# KiCad board launch-lite.kicad_pcb (continued)
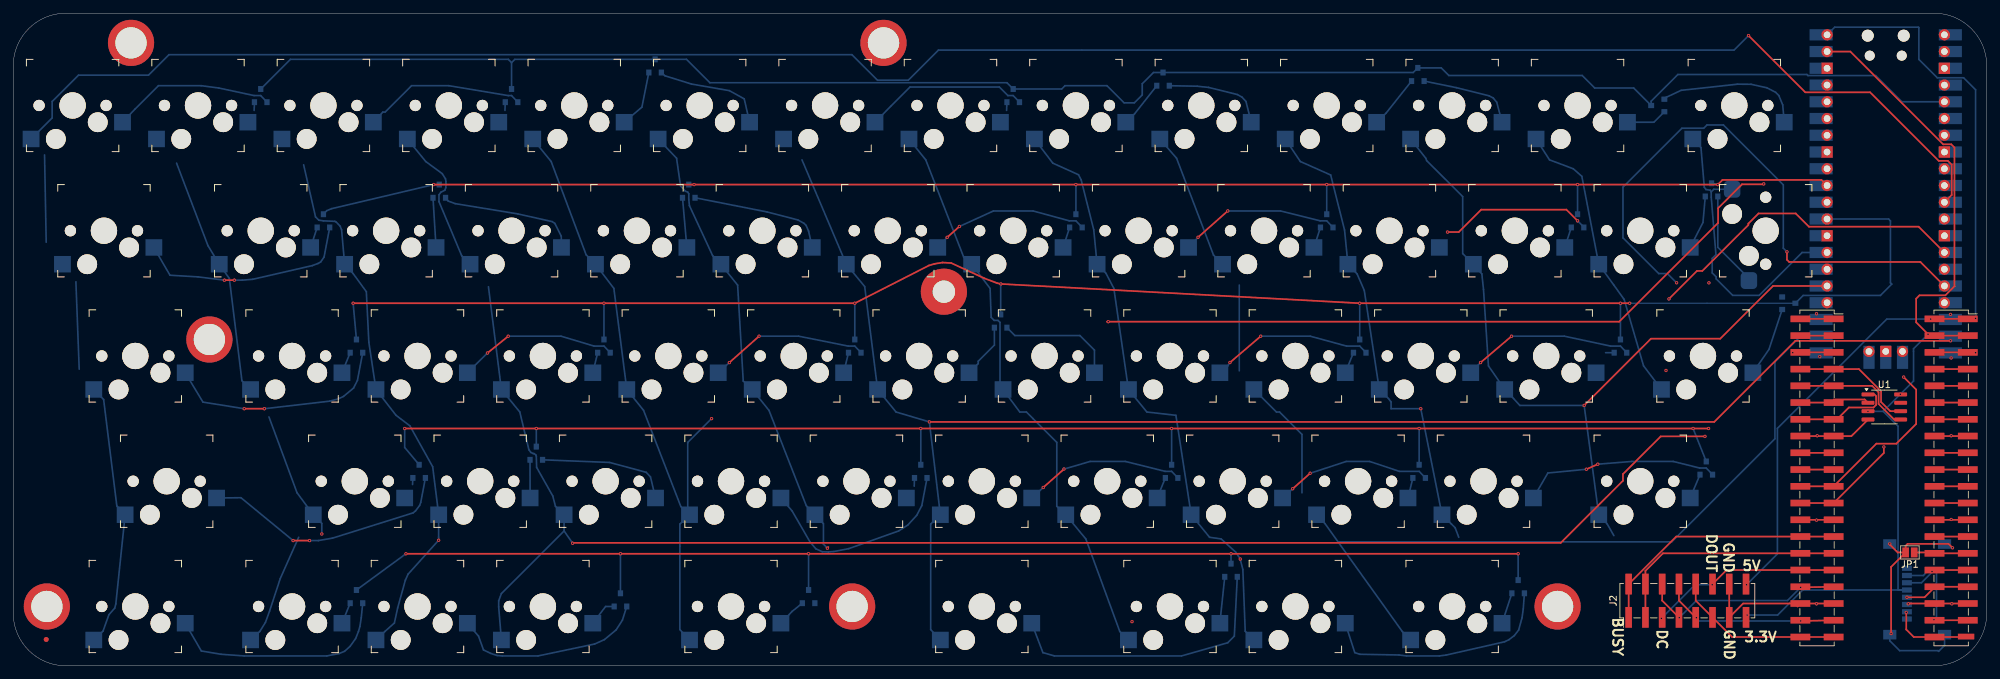
[diagram p0: board, top side]
## Routing (per net, layer and track width the routed paths; a pad name or vN(x,y) marks a point on that pad's centre or on a via; arc(x,y) is an arc through that point) (continued)
/SD_DET: length 8.2
  Top w0.25: J4.29 J4.30 290.95,17.2 JP1.1
/SD_RX: length 12.4
  Top w0.25: v1(286.8,8.1) 286.8,5.5 287.93,4.37 J4.40 296.12,4.37
/SD_TX: length 10
  Top w0.25: J4.31 J4.32
  Bottom w0.25: J1.3 289.1,12.6 290.7,14.2 v1(290.7,14.3) 290.8,14.3 291,14.5
/TX: length 81.4
  Top w0.25: v1(283.4,33.2) 283.4,32.29 J3.23 J3.24
  In1.Cu w0.25: v1(283.4,33.2) 287.5,37.3 297.3,37.3 297.9,37.9 297.9,79.3 294.18,83.02 U2.6
COLA: length 383.5
  Top w0.25: v1(262.9,95.6) 271.5,87 281.32,87 291.72,76.6 293.1,76.6 293.68,76.02 293.68,71.42 U2.11
  Bottom w0.25: SWA3.1 13.7,40.4 15.7,24.25 SWA4.1 15.55,9.4 15.38,8.75 14.5,7.75 13.6,5.25 SWA5.1 ; 5,64.25 4.75,77.5 ; 10,45 9.5,58.25 ; SWA1.1 5.9,83.11 5.9,85.6 9.9,89.6 20.5,89.6 23.6,92.7 127.06,92.7 130.94,88.83 135.6,88.83 140.17,93.4 260.7,93.4 v1(262.9,95.6) 263,95.7
COLB: length 359.8
  In1.Cu w0.25: U2.12 291.48,66.68 268.22,66.68 268.22,59.9 265.72,57.4 168.33,57.4 152.03,73.7 128.78,50.45 116.94,50.45 115.99,49.5 112.79,49.5 112.5,49.79 78.83,49.79 76.65,47.61 76.65,45.3 57.69,26.34 57.69,24.58 53.11,20 v1(46.75,20)
  Bottom w0.25: 24.75,76.25 29.5,63.75 SWB2.1 32.75,58.75 34.65,43.25 SWB3.1 ; SWB5.1 37.35,5.2 38.21,6.59 38.84,8.29 40.46,13.24 43.25,19.5 ; v1(46.75,20) 46.75,21.6 SWB4.1 43,26.25 38.75,37.75
COLC: length 334.1
  Top w0.25: U2.14 288.67,66.61 272.06,66.61 270.05,68.62 264.42,68.62 262.88,67.08 262.88,66.88 255.9,59.9 255.09,59.9 v1(250.84,55.66)
  In1.Cu w0.25: v1(250.84,55.66) 250.79,55.6 157.68,55.6 140.48,38.4 91,38.4 71.7,19.1 64.4,19.1 v1(64.45,19.05)
  Bottom w0.25: 44,76 45.8,68.1 46.3,67.6 47,67.5 48.72,67.42 48.95,67.3 49.54,66.69 49.75,66.15 SWC2.1 51.5,59.5 53.5,56.75 53.88,49.08 SWC3.1 58,38 60.1,36.4 63.55,30.2 SWC4.1 64.45,19.5 v1(64.45,19.05) 59.83,13.92 59.41,12.99 58.25,8.8 57.75,6.5 56.3,5.2 SWC5.1
COLD: length 317
  Top w0.25: v1(84.75,18.6) 84.8,18.65 234.45,18.65 243.88,28.08 243.88,29.08 249.6,34.8 v1(256.3,34.8) 256.4,34.8
  In2.Cu w0.25: v1(256.3,34.8) 256.36,34.8 262.83,41.27 262.83,49.73 272.16,59.06 275.26,59.06 275.9,59.7 275.9,60.16 U2.15
  Bottom w0.25: 83.46,20.46 SWD4.1 82.15,24.2 81.75,25.75 79.3,30.1 79.25,31.8 79.16,32.01 78.93,32.18 78.76,32.21 78.42,32.37 78.13,32.78 76.75,38.5 SWD3.1 72,57.5 ; 83.46,20.46 73.96,10.96 73.55,9.85 73.55,8.95 SWD5.1 ; 83.46,20.46 v1(84.75,18.6) ; SWD2.1 67.95,62.2 64.51,70.41 64.5,71.45 64.8,71.85 65.4,72.15 65.54,72.54 65.56,73.46 65.5,73.85 65,74.65 62.5,76.5 SWD1.1
COLE: length 342.7
  Top w0.25: v1(268.72,62.8) 268.72,61.6 269.06,61.26 288.94,61.26 U2.16
  In2.Cu w0.25: v1(105.8,37.5) 138.59,37.5 157.79,56.7 251.89,56.7 252,56.81 v1(252,58.1)
  Bottom w0.25: v1(252,58.1) 250.6,59.5 249.3,59.5 243.88,64.92 243.88,72.62 252.81,81.55 256.11,81.55 256.61,82.05 259.09,82.05 268.17,72.97 268.17,63.36 v1(268.72,62.8) ; SWE4.1 101.15,24.15 95.5,38.75 SWE3.1 91,57.25 SWE2.1 86.8,62.35 81.5,76.5 SWE1.1 ; SWE4.1 102.19,23.19 102.19,33.89 v1(105.8,37.5) ; SWE4.1 101,21.5 101,5.5 SWE5.1
COLF: length 298.7
  Top w0.25: 165.7,52.2 v1(165.9,52.2) 243.3,52.2 258.3,67.19 258.3,69.42 261.92,73.05 265.15,73.05 v1(265.2,73.1) ; 123.5,18 v1(123.35,17.85)
  In1.Cu w0.25: v1(123.35,17.85) 135.07,17.85 144.13,26.92 144.13,29.08 145.67,30.62 149.58,30.62 165.9,46.94 v1(165.9,52.2)
  In2.Cu w0.25: U2.17 292.7,55.2 296.8,55.2 296.8,75.5 295.7,76.6 271.05,76.6 267.55,73.1 v1(265.2,73.1)
  Bottom w0.25: v1(123.35,17.85) 122.75,18.45 122.75,21.55 SWF4.1 120.15,24.3 114.5,38.75 SWF3.1 110.6,43.2 109.75,57.75 SWF2.1 105.95,62.25 102.45,69.8 102.35,70.8 102.35,71.6 102.2,71.85 101.84,71.99 101.1,72.8 100.5,77 SWF1.1
COLG: length 241.2
  Top w0.25: v1(138.8,37) 138.8,37 257.7,37 270.01,49.3 v1(293.5,49.3)
  Bottom w0.25: SWG5.1 139,5.5 139,21.5 SWG4.1 v1(138.8,37) 133.75,38.5 SWG3.1 129,57.53 SWG2.1 119.5,76.75
COLH: length 233.4
  In1.Cu w0.25: 293.7,46.7 v1(293.6,46.7) 293.6,46.8 291.61,48.79 271.79,48.79 253.62,30.62 245.42,30.62 243.88,29.08 243.88,26.92 237.57,20.6 180.6,20.6 172.63,12.63 172.63,7.92 171.42,6.7 v1(169.5,6.7)
  Bottom w0.25: SWH5.1 167.65,5.2 162.5,19.25 SWH4.1 158.1,24.2 158.1,33.9 153.5,38.5 152.5,38.5 SWH3.1 ; SWH1.1 138.25,76.75 144,62 SWH2.1 148,57.25 148.16,52.86 148.62,52.4 149.2,52.4 149.5,52.1 149.5,42.38
COLI: length 191.3
  In2.Cu w0.25: v1(273.7,46.9) 273.7,45.84 244.06,16.2 v1(185.9,16.2)
  Bottom w0.25: SWI5.1 186.65,5.25 186.29,14.61 185.87,16.27 185.2,17.25 183,19.25 181.25,19.5 SWI4.1 176.15,38 171.75,38.5 SWI3.1 166.75,57.25 165.55,59.55 SWI2.1 163.7,66.15 161.8,73.7 161.39,74.49 157.5,76.25 SWI1.1
COLJ: length 171.1
  Bottom w0.25: SWJ5.1 210.45,5.2 200.71,18.81 ; SWJ1.1 176.25,77 181.85,62.3 SWJ2.1 ; 200.71,18.81 251.27,18.81 266.9,34.44 266.9,46.1 270.8,50 U2.22 ; 200.71,18.81 198.75,21.55 SWJ4.1 ; SWJ3.1 191.38,38.5 191.85,38.5 195.25,35.1 195.25,26.25 ; 185.75,44.75 185.75,57.75
COLK: length 140
  In1.Cu w0.25: U2.24 273.44,55.08 257.35,39 213.25,39 v1(213.25,39)
  Bottom w0.25: SWK1.1 195,76.5 199.6,74.45 201.7,66.1 SWK2.1 203.6,59.45 204.69,56.94 SWK3.1 208.35,40.55 208.75,40.03 208.75,39 v1(213.25,39) SWK4.1 217.9,21.5 218.45,20.95 219,19.5
COLL: length 121.1
  Top w0.25: v1(238,39.5) 248.12,49.62 258.61,49.62 266.61,57.62 U2.25
  Bottom w0.25: 242.5,19.75 241.5,21.5 SWL4.1 v1(238,39.5) 228.25,39.5 227.3,40.55 SWL3.1 223.5,45.5 222.75,57.1 222.5,59.45 SWL2.1 219.6,62.53 219.6,71.18 214.14,76.64 214,77 SWL1.1
COLM: length 79.1
  In1.Cu w0.25: v1(250.4,44.8) 249.4,45.8 249.4,47.57 251.45,49.62 257.08,49.62 258.1,48.6 263.24,48.6 U2.26
  Bottom w0.25: SWM3.1 247,45.5 244.06,55.56 242.5,57.75 SWM2.1 237.65,74.25 236.35,75.4 232.75,76.75 SWM1.1
COLN: length 47.6
  Bottom w0.25: 274.8,61.92 U2.27 271.02,62.7 264.52,56.2 260.5,56.2 258,58.7 258,59 257.4,59.6 257.4,61.8 257.96,62.36 257.25,71.1 257.25,71.9 ; 257.25,71.9 257.1,72.15 256.45,72.25 256.2,72.6 255.7,78.6 SWN1.1 ; 257.25,71.9 257.64,72.29 SWN2.1
ROW1: length 274.1
  Bottom w0.25: D10.3 42,92 75,92 75.5,91.5 ; 75.5,91.5 D46.3 ; 75.5,91.5 76,92 D40.3 102,92 105.55,88.45 150.55,88.45 D34.3 158.85,87.5 159.35,88 165.7,88 168.3,85.4 169.85,85.4 171.05,86.6 171.05,88.3 172.75,90 D28.3 212.1,90 D22.3 216.35,90.7 217.5,89.55 237.7,89.55 239.6,87.65 245.5,87.65 D16.3 248.15,85.65 252.2,89.7 271.74,89.7 271.9,89.54 282.16,89.54 286.14,85.56 U2.5
ROW2: length 245.3
  Top w0.25: v1(63.7,73) v1(103.15,73) v1(161,73) v1(199,73) v1(237,73) v1(258.25,73) 258.96,73.71 273.95,73.71 U2.31
  Bottom w0.25: D35.3 v1(161,73) ; D11.3 47.5,69.05 48.25,69.35 v1(63.7,73) D47.3 ; D41.3 v1(103.15,73) ; D29.3 v1(199,73) ; D17.3 v1(258.25,73) ; D23.3 v1(237,73)
ROW3: length 288
  Top w0.25: v1(51.5,55) v1(127.5,55) 138.72,60.72 139.57,60.97 140.8,61.17 142.1,61.1 147.13,58.78 149.08,58.04 v1(149.63,57.93) v1(204,55) v1(243.5,55) v1(244.89,55)
  Bottom w0.2: v1(244.89,55) D18.3
  Bottom w0.25: D48.3 v1(89.5,55) ; D24.3 v1(243.5,55) ; D12.3 v1(51.5,55) ; D36.3 149.6,57.9 v1(149.63,57.93) ; D18.3 271.18,56.18 282.88,56.18 284.6,57.9 284.4,58.1 284.4,67.5 284.12,67.78 U2.29 ; D42.3 v1(127.5,55) ; D30.3 v1(204,55)
ROW4: length 308.4
  Top w0.25: v1(59.31,36) v1(137.5,36) v1(175.5,36) v1(213,36) v1(254.5,36) v1(256.85,36)
  In1.Cu w0.25: U2.9 291.48,76.5 259.3,76.5 256.9,74.1 v1(256.9,58.1)
  In2.Cu w0.15: v1(256.9,58.1) 256.9,54.45 262.51,48.84 262.51,41.66 v1(256.85,36)
  Bottom w0.25: v1(59.31,36) 59.31,33.12 D13.3 ; D49.3 v1(79.25,36) ; D43.3 v1(137.5,36) ; D37.3 v1(175.5,36) ; D25.3 v1(254.5,36) ; D31.3 v1(213,36)
ROW5: length 292.6
  Top w0.25: v1(228,17) v1(184.5,17) v1(120.5,17) v1(92,17) v1(59.5,17)
  In2.Cu w0.25: v1(228,17) 247.5,36.5 247.5,51.6 262.8,66.9 262.8,67 264.8,69 267.1,69 272.4,74.3 291.14,74.3 U2.10
  Bottom w0.25: D50.3 v1(92,17) ; D32.3 v1(228,17) ; D38.3 v1(184.5,17) ; D44.3 v1(120.5,17) ; D14.3 v1(59.5,17)
Net-(D10-A-Pad1): length 24.8
  Bottom w0.25: SWA1.2 18.5,84.5 22,88 28.5,88 31.15,87.65 36.5,86.5 37.5,86.5 D10.1
Net-(D10-A-Pad2): length 1.3
  Bottom w0.25: D10.2 36.5,84.25
Net-(D11-A-Pad1): length 33.6
  Top w0.25: v1(33.5,58.5) v1(32,58.5)
  Bottom w0.25: v1(33.5,58.5) 34.7,58.5 36.27,58.63 45.31,60.71 46.18,61.03 46.59,61.26 47.1,62 D11.1 ; SWA2.2 23.75,59.25 28,59 v1(32,58.5)
Net-(D11-A-Pad2): length 3.2
  Bottom w0.25: D11.2 SWB2.2
Net-(D12-A-Pad1): length 34.3
  Top w0.25: v1(38.05,39) v1(35,39)
  Bottom w0.25: SWA3.2 28.75,40 v1(35,39) ; D12.1 52.15,43.3 51.56,42.14 50.04,40.86 49.23,40.47 47.95,40.15 v1(38.05,39)
Net-(D12-A-Pad2): length 3.3
  Bottom w0.25: D12.2 SWB3.2
Net-(D13-A-Pad1): length 38.5
  Top w0.25: v1(44.9,19) v1(42.4,19)
  Bottom w0.25: v1(44.9,19) 46.25,19 48.37,19.37 60.6,23.2 60.95,23.5 61.57,24.33 61.75,24.8 D13.1 ; v1(42.4,19) 34.5,25.5 SWA4.2
Net-(D13-A-Pad2): length 1
  Bottom w0.25: D13.2 60.5,27.5
Net-(D14-A-Pad1): length 34.8
  Bottom w0.25: SWA5.2 28.5,2.25 31.5,1.75 35,1.5 47.5,1.5 49.35,1.85 50.2,2.2 51.04,2.96 51.88,4.12 52.3,5.2 52.53,5.97 52.73,7.27 D14.1
Net-(D14-A-Pad2): length 3.3
  Bottom w0.25: D14.2 SWB5.2
Net-(D16-A-Pad1): length 22.4
  Bottom w0.25: SWN1.2 268.08,85.08 267.5,86.5 267,87 265.68,87.68 263.29,88.21 261.23,88.23 252.7,87.3 250.45,86.25 D16.1
Net-(D16-A-Pad2): length 6.2
  Bottom w0.25: SWM1.2 248.56,82.46 D16.2
Net-(D17-A-Pad1): length 14.7
  Bottom w0.25: SWN2.2 262.96,58.77 258.25,63.48 D17.1
Net-(D17-A-Pad2): length 8.2
  Bottom w0.25: SWM2.2 256,67.25 D17.2
Net-(D18-A-Pad1): length 10.7
  Bottom w0.25: D18.1 266,48 SWM3.2
Net-(D22-A-Pad1): length 14.8
  Bottom w0.25: D22.1 218.65,87.7 223.61,86.46 224.23,86.13 224.75,85.5 SWL1.2
Net-(D22-A-Pad2): length 8.2
  Bottom w0.25: D22.2 208,83.85 SWK1.2
Net-(D23-A-Pad1): length 23.2
  Top w0.25: v1(217.3,65.8) 219,65.8 222.4,69.2 235.3,69.2 v1(237,67.5)
  Bottom w0.25: 237.95,66.55 v1(237,67.5)
Net-(D23-A-Pad2): length 3.2
  Bottom w0.25: D23.2 SWL2.2
Net-(D24-A-Pad1): length 26.4
  Top w0.25: v1(227,50) v1(222.3,46)
  Bottom w0.25: v1(227,50) 235,50 242,48.5 243.5,48.5 D24.1 ; v1(222.3,46) SWK3.2
Net-(D24-A-Pad2): length 1.3
  Bottom w0.25: D24.2 241.25,47.5
Net-(D25-A-Pad1): length 30.1
  Top w0.25: v1(240.07,30.58) v1(238.33,29.82)
  Bottom w0.25: v1(238.33,29.82) 232.5,29.25 SWK4.2 ; D25.1 256.5,30 255.5,30 251.5,31 245.2,31 v1(240.07,30.58)
Net-(D25-A-Pad2): length 3.8
  Bottom w0.25: D25.2 SWL4.2
Net-(D28-A-Pad1): length 15.4
  Bottom w0.25: SWJ1.2 186.76,85.61 186.16,86.26 185.46,86.66 181.09,87.74 179.37,87.92 D28.1
Net-(D28-A-Pad2): length 7.3
  Bottom w0.25: SWI1.2 169.9,83.75 D28.2
Net-(D29-A-Pad1): length 24.7
  Top w0.25: v1(184,69) v1(179.5,65)
  Bottom w0.25: D29.1 199,67.5 198,67.5 192,69 v1(184,69) ; v1(179.5,65) SWI2.2
Net-(D29-A-Pad2): length 3.2
  Bottom w0.25: D29.2 SWJ2.2
Net-(D30-A-Pad1): length 24.9
  Top w0.25: v1(189,50) v1(184.34,46.01)
  Bottom w0.25: SWI3.2 184,45.5 v1(184.34,46.01) ; D30.1 204,48.5 202,48.5 196.5,50 v1(189,50)
Net-(D30-A-Pad2): length 3.3
  Bottom w0.25: D30.2 SWJ3.2
Net-(D31-A-Pad1): length 24
  Top w0.25: v1(196.49,29.21) v1(193.84,26.86)
  Bottom w0.25: v1(193.84,26.86) SWI4.2 ; v1(196.49,29.21) 201.95,31 205.5,31 210,29.5 213,29.5 D31.1
Net-(D31-A-Pad2): length 3.1
  Bottom w0.25: D31.2 SWJ4.2
Net-(D32-A-Pad1): length 36.2
  Bottom w0.25: D32.1 228.77,8.63 228.59,7.29 228.07,5.43 227.42,4.58 226.59,3.96 225.95,3.65 217.07,1.63 216.05,1.5 211.1,1.5 209.94,1.64 204,1.75 203.25,2 SWI5.2
Net-(D32-A-Pad2): length 4.8
  Bottom w0.25: D32.2 SWJ5.2
Net-(D34-A-Pad1): length 25.1
  Bottom w0.25: SWG1.2 132.93,84.87 135.87,87.8 149.4,87.8 150.7,86.5 151.5,86.5 D34.1
Net-(D34-A-Pad2): length 1.3
  Bottom w0.25: D34.2 150.5,84.25
Net-(D35-A-Pad1): length 24.3
  Top w0.25: v1(143.35,66.65) v1(141.5,65)
  Bottom w0.25: v1(143.35,66.65) 148.5,69 154.5,69 160,67.5 161,67.5 D35.1 ; v1(141.5,65) SWG2.2
Net-(D35-A-Pad2): length 3.2
  Bottom w0.25: D35.2 SWH2.2
Net-(D36-A-Pad1): length 18.1
  Bottom w0.25: SWH3.2 163.81,47.89 161.6,50.1 151.75,50.1 D36.1
Net-(D36-A-Pad2): length 8.4
  Bottom w0.25: SWG3.2 146.2,45.85 146.2,46.2 148.65,48.65 D36.2
Net-(D37-A-Pad1): length 24.6
  Top w0.25: v1(159.2,29.85) v1(156.05,27.05)
  Bottom w0.25: v1(159.2,29.85) 163.15,31 168.5,31 174.5,29.5 175.5,29.5 D37.1 ; SWG4.2 156,27 v1(156.05,27.05)
Net-(D37-A-Pad2): length 3.3
  Bottom w0.25: D37.2 SWH4.2
Net-(D38-A-Pad1): length 43.5
  Bottom w0.25: D38.1 185,4.5 184,3.5 177,1.5 157.75,1.5 156,2 SWG5.2
Net-(D38-A-Pad2): length 7.1
  Bottom w0.25: D38.2 SWH5.2
Net-(D40-A-Pad1): length 17
  Bottom w0.25: SWF1.2 110.75,86 108.5,87.25 102.75,88.25 98.75,89.5 D40.1
Net-(D40-A-Pad2): length 8.9
  Bottom w0.25: SWE1.2 95.25,84.75 D40.2
Net-(D41-A-Pad1): length 20.9
  Bottom w0.25: SWF2.2 120.5,65.95 120.12,66.82 119.79,67.14 118.88,67.63 114.2,68.85 D41.1
Net-(D41-A-Pad2): length 7.6
  Bottom w0.25: SWE2.2 D41.2
Net-(D42-A-Pad1): length 24.3
  Top w0.25: v1(113,50) v1(108.5,46)
  Bottom w0.25: v1(108.5,46) SWE3.2 ; D42.1 127.5,48.5 126.5,48.5 119,50 v1(113,50)
Net-(D42-A-Pad2): length 3.1
  Bottom w0.25: D42.2 SWF3.2
Net-(D43-A-Pad1): length 32.1
  Bottom w0.25: D43.1 137.65,24.3 136.88,22.82 135.54,21.36 134.17,20.47 126.57,17.77 124.32,17.33 123.48,17.27 122.6,17.3 121.6,17.75 120.71,18.81 118,23.5 SWE4.2
Net-(D43-A-Pad2): length 1.3
  Bottom w0.25: D43.2 136.5,27.25
Net-(D44-A-Pad2): length 4.5
  Bottom w0.25: SWE5.2 118,8.25 D44.2
Net-(D46-A-Pad1): length 24.8
  Bottom w0.25: SWC1.2 56,84 56.35,84 60.35,88 66,88 75,86.5 75.5,86.5 D46.1
Net-(D46-A-Pad2): length 1.3
  Bottom w0.25: D46.2 74.5,84.25
Net-(D47-A-Pad1): length 21.1
  Bottom w0.25: D47.1 65.9,70.5 66.96,70.11 76.45,68.55 81.67,67.37 82.06,67.11 83.03,65.18 SWD2.2
Net-(D47-A-Pad2): length 7.6
  Bottom w0.25: D47.2 SWC2.2
Net-(D48-A-Pad1): length 24.4
  Top w0.25: v1(75,50) v1(71.85,47.45)
  Bottom w0.25: v1(75,50) 83,50 88,48.5 89.5,48.5 D48.1 ; v1(71.85,47.45) SWC3.2
Net-(D48-A-Pad2): length 3.1
  Bottom w0.25: D48.2 SWD3.2
Net-(D49-A-Pad1): length 20.1
  Bottom w0.25: D49.1 90.35,30.85 95.9,29.35 96.55,28.65 SWD4.2
Net-(D49-A-Pad2): length 5.8
  Bottom w0.25: D49.2 SWC4.2
Net-(D50-A-Pad1): length 29.9
  Bottom w0.25: D50.1 92.29,6.91 91.35,5.45 89.57,3.98 88.09,3.31 79.5,1.5 74.1,1.5 73.31,1.56 72.34,1.89 71.25,2.41 70.5,4.5 SWC5.2
Net-(D50-A-Pad2): length 4.5
  Bottom w0.25: D50.2 89.75,9 SWD5.2
Net-(J1-DET): length 37.9
  Top w0.25: JP1.2 286.7,18.2 287,18.5 293.2,18.5 v1(293.8,17.9) ; JP1.2 284.5,15 v1(284.5,4.9) 284.5,4.8 ; JP1.2 285.5,17.2 284.3,18.4 ; 284.3,18.4 284.2,18.5 v1(284.3,18.5) 284.3,18.4
  Bottom w0.25: 284.9,5.2 284.5,4.8 ; J1.9 284.3,3.8 285.8,2.3 291.6,2.3 291.7,2.2 292.6,3.1 J1.9 292.78,4.91 292.96,4.91
Net-(J3-Pin_17): length 5
  Top w0.25: J3.17 J3.18
Net-(J3-Pin_19): length 5
  Top w0.25: J3.19 J3.20
Net-(J4-Pin_7): length 5
  Top w0.25: J4.8 J4.7
Net-(J4-Pin_10): length 5
  Top w0.25: J4.9 J4.10
Net-(J4-Pin_11): length 5
  Top w0.25: J4.12 J4.11
Net-(J4-Pin_13): length 5
  Top w0.25: J4.13 J4.14
Net-(J4-Pin_17): length 5
  Top w0.25: J4.17 J4.18
Net-(J4-Pin_19): length 5
  Top w0.25: J4.19 J4.20
Net-(J4-Pin_21): length 5
  Top w0.25: J4.22 J4.21
Net-(J4-Pin_23): length 5
  Top w0.25: J4.23 J4.24
Net-(J4-Pin_27): length 5
  Top w0.25: J4.27 296.01,19.61 296,19.6 295.99,19.61 J4.28

## Copper pours and planes (outline as drawn; the poured copper is in the pictures)
GND on In1.Cu: 300,-1 -1,-1 -1,128 300,128
(no net) on In2.Cu: 301,-2 -2,-2 -2,104 301,104
COLA on Bottom: 5,76.75 0,76.75 0,83.75 5,83.75
COLA on Bottom: 9.75,57.75 4.75,57.75 4.75,64.75 9.75,64.75
COLA on Bottom: 14.75,38.5 9.75,38.5 9.75,45.5 14.75,45.5
COLA on Bottom: 19.25,19.75 14.25,19.75 14.25,26.75 19.25,26.75
COLA on Bottom: 14.5,0.75 9.5,0.75 9.5,7.75 14.5,7.75
COLB on Bottom: 38.5,0.75 33.5,0.75 33.5,7.75 38.5,7.75
COLB on Bottom: 48,19.25 43,19.25 43,26.25 48,26.25
COLB on Bottom: 39,37.5 34,37.5 34,45 39,45
COLB on Bottom: 34.25,57.25 29.25,57.25 29.25,64.25 34.25,64.25
COLB on Bottom: 25,75.8 20,75.8 20,82.8 25,82.8
COLC on Bottom: 44.06,75.75 39.06,75.75 39.06,82.75 44.06,82.75
COLC on Bottom: 53.5,56.75 48.5,56.75 48.5,63.75 53.5,63.75
COLC on Bottom: 58.25,37.75 53.25,37.75 53.25,44.75 58.25,44.75
COLC on Bottom: 67.5,18.5 62.5,18.5 62.5,25.5 67.5,25.5
COLC on Bottom: 58.25,-0.25 53.25,-0.25 53.25,6.75 58.25,6.75
COLD on Bottom: 77,0.11 72,0.11 72,7.11 77,7.11
COLD on Bottom: 86.75,18.35 81.75,18.35 81.75,25.75 86.75,25.75
COLD on Bottom: 76.95,38.25 71.95,38.25 71.95,45.25 76.95,45.25
COLD on Bottom: 72.25,57.25 67.25,57.25 67.25,64.25 72.25,64.25
COLD on Bottom: 62.74,76.25 57.74,76.25 57.74,83.25 62.74,83.25
COLE on Bottom: 81.62,76.25 76.62,76.25 76.62,83.25 81.62,83.25
COLE on Bottom: 91.04,57.25 86.04,57.25 86.04,64.25 91.04,64.25
COLE on Bottom: 95.89,38.25 90.89,38.25 90.89,45.25 95.89,45.25
COLE on Bottom: 105.39,19.25 100.39,19.25 100.39,26.25 105.39,26.25
COLE on Bottom: 105.5,0.25 100.5,0.25 100.5,7.25 105.5,7.25
COLF on Bottom: 100.7,76.5 96,76.5 96,83.5 100.7,83.5
COLF on Bottom: 109.99,57.5 104.99,57.5 104.99,64.5 109.99,64.5
COLF on Bottom: 114.72,38.5 109.72,38.5 109.72,45.5 114.72,45.5
COLF on Bottom: 124.25,19.5 119.25,19.5 119.25,26.5 124.25,26.5
COLG on Bottom: 143.5,0.5 138.5,0.5 138.5,7.5 143.5,7.5
COLG on Bottom: 143.5,19.25 138.5,19.25 138.5,26.25 143.5,26.25
COLG on Bottom: 134,38.25 129,38.25 129,45.25 134,45.25
COLG on Bottom: 129.25,57.25 124.25,57.25 124.25,64.25 129.25,64.25
COLG on Bottom: 119.75,76.25 114.75,76.25 114.75,83.25 119.75,83.25
COLH on Bottom: 171.79,0.25 166.79,0.25 166.79,7.25 171.79,7.25
COLH on Bottom: 162.52,19.25 157.52,19.25 157.52,26.25 162.52,26.25
COLH on Bottom: 152.75,38.25 147.75,38.25 147.75,45.25 152.75,45.25
COLH on Bottom: 148.18,57.25 143.18,57.25 143.18,64.25 148.18,64.25
COLH on Bottom: 138.46,76.25 133.46,76.25 133.46,83.25 138.46,83.25
COLI on Bottom: 191,0.25 186,0.25 186,7.25 191,7.25
COLI on Bottom: 181.5,19.25 176.5,19.25 176.5,26.25 181.5,26.25
COLI on Bottom: 172,38.25 167,38.25 167,45.25 172,45.25
COLI on Bottom: 167,57.25 162,57.25 162,64.25 167,64.25
COLI on Bottom: 157.5,76.25 152.5,76.25 152.5,83.25 157.5,83.25
COLJ on Bottom: 214.47,0.75 209.47,0.75 209.47,7.75 214.47,7.75
COLJ on Bottom: 200.12,19.5 195.12,19.5 195.12,26.5 200.12,26.5
COLJ on Bottom: 190.52,38.25 185.52,38.25 185.52,45.25 190.52,45.25
COLJ on Bottom: 185.98,57.5 180.98,57.5 180.98,64.5 185.98,64.5
COLJ on Bottom: 176.41,76.5 171.41,76.5 171.41,83.5 176.41,83.5
COLK on Bottom: 195.09,76.5 190.5,76.5 190.5,83.5 195.09,83.5
COLK on Bottom: 204.46,57.5 199.75,57.5 199.75,64.5 204.46,64.5
COLK on Bottom: 209.52,38.5 204.52,38.5 204.52,45.5 209.52,45.5
COLK on Bottom: 218.96,19.5 213.96,19.5 213.96,26.5 218.96,26.5
COLL on Bottom: 242.75,19.5 237.75,19.5 237.75,26.5 242.75,26.5
COLL on Bottom: 228.5,38.5 223.5,38.5 223.5,45.5 228.5,45.5
COLL on Bottom: 223.75,57.5 218.75,57.5 218.75,64.5 223.75,64.5
COLL on Bottom: 214.25,76.5 209.25,76.5 209.25,83.5 214.25,83.5
COLM on Bottom: 233,76.58 228.25,76.5 228.25,83.5 233,83.58
COLM on Bottom: 242.75,57.49 237.75,57.49 237.75,64.49 242.75,64.49
COLM on Bottom: 252,38.5 247,38.5 247,45.5 252,45.5
COLN on Bottom: 257,70 257,75 264,75 264,70
COLN on Bottom: 256.85,76.5 251.85,76.5 251.85,83.5 256.85,83.5
Net-(D10-A-Pad1) on Bottom: 19.25,78 14.25,78 14.25,85 19.25,85
Net-(D10-A-Pad2) on Bottom: 38.25,77.76 33.25,77.76 33.25,84.76 38.25,84.76
Net-(D11-A-Pad1) on Bottom: 24,59 19,59 19,66 24,66
Net-(D11-A-Pad2) on Bottom: 47.25,60.5 42.5,60.5 42.5,67.5 47.25,67.5
Net-(D12-A-Pad1) on Bottom: 28.75,40 23.75,40 23.75,47 28.75,47
Net-(D12-A-Pad2) on Bottom: 52.5,39.71 47.5,39.71 47.5,46.71 52.5,46.71
Net-(D13-A-Pad1) on Bottom: 33.25,21.25 28.25,21.25 28.25,28.25 33.25,28.25
Net-(D13-A-Pad2) on Bottom: 61.75,21.18 56.75,21.18 56.75,27.75 61.75,27.75
Net-(D14-A-Pad1) on Bottom: 28.5,2.25 23.5,2.25 23.5,9.25 28.5,9.25
Net-(D14-A-Pad2) on Bottom: 52.32,2.25 47.32,2.25 47.32,9.25 52.32,9.25
Net-(D16-A-Pad1) on Bottom: 270.7,79.25 265.7,79.25 265.7,86.25 270.7,86.25
Net-(D16-A-Pad2) on Bottom: 246.5,79.25 241.75,79.25 241.75,86.25 246.5,86.25
Net-(D17-A-Pad1) on Bottom: 259.75,56 259.75,61 266.75,61 266.75,56
Net-(D17-A-Pad2) on Bottom: 256,60.25 251.25,60.25 251.25,67.25 256,67.25
Net-(D18-A-Pad1) on Bottom: 266.14,41.25 261.14,41.25 261.14,48.25 266.14,48.25
Net-(D22-A-Pad1) on Bottom: 227.5,77.75 222.5,77.75 222.5,84.75 227.5,84.75
Net-(D22-A-Pad2) on Bottom: 208.75,77.75 203.75,77.75 203.75,84.75 208.75,84.75
Net-(D23-A-Pad1) on Bottom: 218.25,60 213.5,60 213.5,67 218.25,67
Net-(D23-A-Pad2) on Bottom: 236.96,60 232.21,60 232.21,67 236.96,67
Net-(D24-A-Pad1) on Bottom: 223,40.44 218,40.44 218,47.44 223,47.44
Net-(D24-A-Pad2) on Bottom: 241.75,41.3 237,41.3 237,48.3 241.75,48.3
Net-(D25-A-Pad1) on Bottom: 232.5,22.25 227.75,22.25 227.75,29.25 232.5,29.25
Net-(D25-A-Pad2) on Bottom: 256.5,22.25 251.5,22.25 251.5,29.25 256.5,29.25
Net-(D28-A-Pad1) on Bottom: 189.75,77.75 184.75,77.75 184.75,84.75 189.75,84.75
Net-(D28-A-Pad2) on Bottom: 170.75,77.75 165.75,77.75 165.75,84.75 170.75,84.75
Net-(D29-A-Pad1) on Bottom: 179.98,60 175.23,60 175.23,67 179.98,67
Net-(D29-A-Pad2) on Bottom: 199,60 194.25,60 194.25,67 199,67
Net-(D30-A-Pad1) on Bottom: 185,41.5 180,41.5 180,48.5 185,48.5
Net-(D30-A-Pad2) on Bottom: 203.75,39.75 198.75,39.75 198.75,46.75 203.75,46.75
Net-(D31-A-Pad1) on Bottom: 194.5,21.91 189.5,21.91 189.5,28.91 194.5,28.91
Net-(D31-A-Pad2) on Bottom: 213.25,20.5 208.5,20.62 208.5,27.62 213.25,27.5
Net-(D32-A-Pad1) on Bottom: 203.73,1.75 198.73,1.75 198.73,8.75 203.73,8.75
Net-(D32-A-Pad2) on Bottom: 227.75,3.25 223,3.25 223,10.25 227.75,10.25
Net-(D34-A-Pad1) on Bottom: 132.9,78 127.9,78 127.9,85 132.9,85
Net-(D34-A-Pad2) on Bottom: 151.75,77.75 146.75,77.75 146.75,84.75 151.75,84.75
Net-(D35-A-Pad1) on Bottom: 142.25,60.39 137.5,60.39 137.5,67.39 142.25,67.39
Net-(D35-A-Pad2) on Bottom: 161,60 156.25,60 156.25,67 161,67
Net-(D36-A-Pad1) on Bottom: 166.17,39.5 161.17,39.5 161.17,46.5 166.17,46.5
Net-(D36-A-Pad2) on Bottom: 147,40.09 142,40.09 142,47.09 147,47.09
Net-(D37-A-Pad1) on Bottom: 157,21.9 152,21.9 152,28.9 157,28.9
Net-(D37-A-Pad2) on Bottom: 176,21.9 171,21.9 171,28.9 176,28.9
Net-(D38-A-Pad1) on Bottom: 156.62,1.75 151.62,1.75 151.62,8.75 156.62,8.75
Net-(D38-A-Pad2) on Bottom: 184.75,1.75 179.75,1.75 179.75,8.75 184.75,8.75
Net-(D40-A-Pad1) on Bottom: 113.87,78 108.87,78 108.87,85 113.87,85
Net-(D40-A-Pad2) on Bottom: 95.25,77.76 90.25,77.76 90.25,84.76 95.25,84.76
Net-(D41-A-Pad1) on Bottom: 123.25,60.39 118.5,60.39 118.5,67.39 123.25,67.39
Net-(D41-A-Pad2) on Bottom: 104.25,60.39 99.5,60.39 99.5,67.39 104.25,67.39
Net-(D42-A-Pad1) on Bottom: 109,39.75 104,39.75 104,46.75 109,46.75
Net-(D42-A-Pad2) on Bottom: 128,39.75 123,39.75 123,46.75 128,46.75
Net-(D43-A-Pad1) on Bottom: 118.5,21.55 113.5,21.55 113.5,28.55 118.5,28.55
Net-(D43-A-Pad2) on Bottom: 137.75,20.8 132.75,20.8 132.75,27.8 137.75,27.8
Net-(D44-A-Pad2) on Bottom: 118.5,1.75 113.5,1.75 113.5,8.75 118.5,8.75
Net-(D46-A-Pad1) on Bottom: 57,77.75 52.25,77.76 52.25,84.76 57,84.75
Net-(D46-A-Pad2) on Bottom: 76,77.75 71.25,77.76 71.25,84.76 76,84.75
Net-(D47-A-Pad1) on Bottom: 85.5,58.71 80.5,58.71 80.5,65.71 85.5,65.71
Net-(D47-A-Pad2) on Bottom: 66.75,58.71 61.75,58.71 61.75,65.71 66.75,65.71
Net-(D48-A-Pad1) on Bottom: 71,39.75 66,39.75 66,46.75 71,46.75
Net-(D48-A-Pad2) on Bottom: 90,39.75 85,39.75 85,46.75 90,46.75
Net-(D49-A-Pad1) on Bottom: 99.5,21.5 94.5,21.5 94.5,28.5 99.5,28.5
Net-(D49-A-Pad2) on Bottom: 80.55,21.5 75.55,21.5 75.55,28.5 80.55,28.5
Net-(D50-A-Pad1) on Bottom: 71.31,2.25 66.31,2.25 66.31,9.25 71.31,9.25
Net-(D50-A-Pad2) on Bottom: 90,2.5 85,2.5 85,9.5 90,9.5

## Text on the board
Bottom: Bottom Copper (4)
B.Mask: Bottom Soldermask
B.Silkscreen: Bottom Silkscreen | AVR ISP | R11 | Pico | USB
User.Comments: Prepreg: 2113 | Core: 1.3 mm typical | Launch Lite Rev 1.0 / Board must be RoHS compliant / Fabricate to IPC-A-600 Class II / Material: Shengyi S1000-2 / Inner copper 1 or 1/2 oz / Outer copper, min 33.4 um finished / Black LPI solder mask over bare copper / Vendor may remove solder mask from via holes, / maximum of drill size + 3 mil / Finish: OSP / Silkscreen: white non conductive / 100% electrical test required / Remove all unused pads from inner layers / All layers positive / Overall thickness: 1.6 mm +- 10 %
Top: Top Copper (1)
F.Mask: Top Soldermask
F.Silkscreen: Top Silkscreen | DOUT | GND | 5V | 3.3V | BUSY | DC
In1.Cu: Inner Copper (2)
In2.Cu: Inner Copper (3)
